# Allegro board RK3576_Template_LP5D315P132SD8_25x36_2400MHz_H1R6_V11_20240530YWQ.brd (continued)
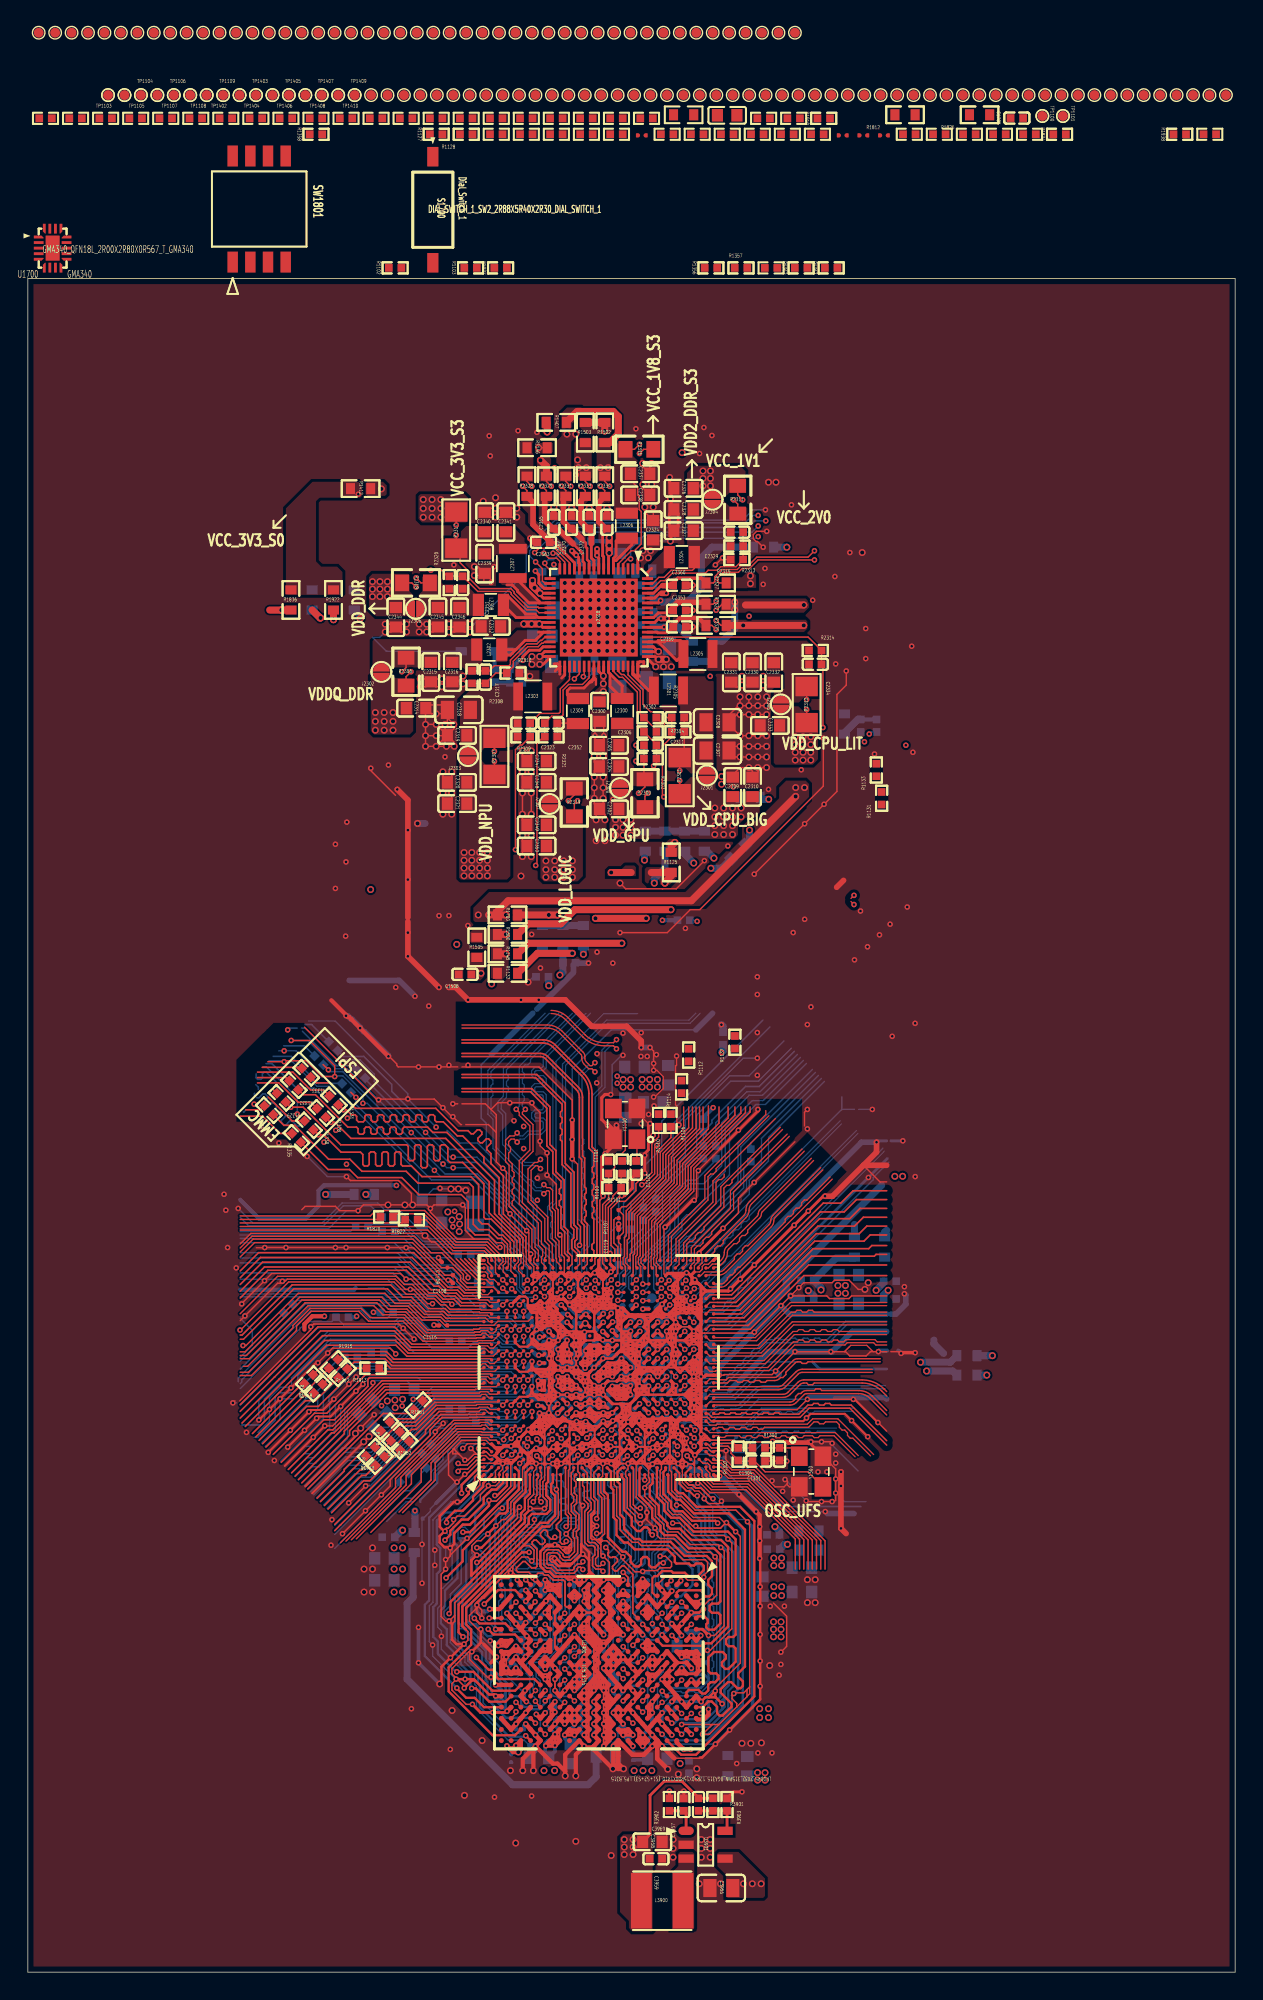
[diagram p0: board, top side]
## Routing (per net, layer and track width the routed paths; a pad name or vN(x,y) marks a point on that pad's centre or on a via; arc(x,y) is an arc through that point) (continued)
FSPI0_D6/EMMC_D6: length 24
  TOP w0.089: U1000.D28 34.51,50.68 34.51,51.57
  TOP w0.102: 34.51,51.57 34.46,51.62 34.46,52.29 34.3,52.45
  TOP w0.114: 34.3,52.45 34.04,52.7 33.76,52.7 33.12,53.34 32.39,53.34 32,53.72 32,56.39 31.71,56.68 28.03,56.68 27.18,57.53 24,57.53 23.14,58.4 21.61,58.4 19.18,60.83 18.4,60.83 R1334.1
FSPI0_D7/EMMC_D7: length 21.2
  TOP w0.089: U1000.1B24 34.15,50.3 34.15,50.77 34.33,50.95 34.33,51.4 34.25,51.48
  TOP w0.102: 33.66,52.4 34.06,52.4 34.25,52.21 34.25,51.48
  TOP w0.114: R1335.1 21.57,57.66 23.11,57.66 23.7,57.08 26.87,57.08 28.09,55.86 31.14,55.86 31.64,55.36 31.64,53.45 32.13,52.96 33.1,52.96 33.66,52.4
FSPI0_DQS/EMMC_STRB: length 21.4
  TOP w0.114: U1000.1F23 v1(37.12,49.73)
  BOTTOM w0.114: v1(37.12,49.73) 37.08,49.77 37.08,51.15 35.48,52.75 35.48,54.94 32.26,58.17 30.23,58.17 24.23,64.16 R1338.1
FSPI0_RSTN/EMMC_CMD: length 26.6
  TOP w0.114: v1(37.12,48.53) U1000.1F22
  BOTTOM w0.114: v1(37.12,48.53) 37.55,48.96 37.55,51.22 36.32,52.45 36.32,55.03 32.25,59.1 30.32,59.1 26.14,63.28 26.14,63.77 24.13,65.79 22.68,65.79 R1336.1
GMAC0_RSTN: length 22.6
  TOP w0.102: U1000.1C18 v1(34.72,46.13)
  BOTTOM w0.102: 33.91,46.48 34.37,46.48 v1(34.72,46.13)
  BOTTOM w0.114: 33.91,46.48 30.23,46.48 29.59,47.12 28.83,47.12 28.07,47.88 25.4,47.88 25.27,48.01 19.94,48.01 15.26,43.33
GMAC0_RXCLK_M0: length 18.6
  TOP w0.089: 32.42,42.7 32.5,42.79 33.04,42.79 33.21,42.62 33.6,42.62 U1000.1A12
  TOP w0.114: 32.42,42.7 24.55,42.7 24.43,42.59 24.43,42.09 22.03,39.68 21.26,39.68 18.2,36.62
GMAC0_RXCTL_M0: length 17.4
  TOP w0.089: 32.32,42.49 32.5,42.49 32.61,42.6 32.88,42.6 33.15,42.33 U1000.B13
  TOP w0.114: 18.71,36.11 21.56,38.96 21.91,38.96 25.44,42.49 32.32,42.49
GMAC0_RXD0_M0: length 16.5
  TOP w0.114: U1000.A13 32.71,42.27 25.53,42.27 22,38.74 21.82,38.74 18.95,35.87
GMAC0_RXD1_M0: length 17.4
  TOP w0.089: 32.06,42.05 32.08,42.07 33.65,42.07 U1000.1A11
  TOP w0.114: 19.2,35.63 25.62,42.05 32.06,42.05
GMAC0_RXD2_M0: length 16.7
  TOP w0.089: U1000.B12 33.23,41.88 32.17,41.88 32.13,41.84
  TOP w0.114: 19.44,35.39 22.73,38.68 22.73,38.86 25.71,41.84 32.13,41.84
GMAC0_RXD3_M0: length 17.2
  TOP w0.089: 32.43,41.6 32.52,41.69 33.04,41.69 33.21,41.52 33.7,41.52 U1000.1A10
  TOP w0.114: 19.68,35.15 23.11,38.58 23.11,38.9 25.81,41.6 32.43,41.6
GMAC0_TXCLK_M0: length 10
  TOP w0.114: 20.12,34.71 25.54,40.13 27.44,40.13 R1931.2
GMAC0_TXCTL_M0: length 6.7
  TOP w0.114: R1928.2 25.36,38.75 22.73,36.12 22.73,35.99 20.78,34.04
GMAC0_TXD0_M0: length 4.6
  TOP w0.114: R1930.2 21.03,33.8
GMAC0_TXD1_M0: length 6.7
  TOP w0.114: 21.31,33.52 23.85,36.07 23.98,36.07 25.13,37.22 R1929.2
GMAC0_TXD2_M0: length 4.7
  TOP w0.114: 21.57,33.26 23.99,35.69 24.28,35.69 R1933.2
GMAC0_TXD3_M0: length 6.8
  TOP w0.114: R1932.2 24.58,35.31 24.13,35.31 21.83,33
GMAC1_MDC_M0: length 9
  BOTTOM w0.114: 17.06,37.76 20.45,41.15 20.45,42.16 22.45,44.16 R1920.2
GMAC1_MDIO_M0: length 11.4
  BOTTOM w0.114: 16.81,38.02 20.07,41.27 20.07,42.49 22.28,44.7 24.46,44.7 R1921.2
GMAC1_RSTN: length 21
  TOP w0.089: U1000.1A19 33.8,47.02 33.21,47.02 33.03,47.19 32.28,47.19
  TOP w0.102: 32.28,47.19 31.5,47.19
  TOP w0.114: 15.26,45.77 15.39,45.77 18.99,49.37 26.07,49.37 26.95,48.49 27.56,48.49 28.59,47.46 29.89,47.46 30.16,47.19 31.5,47.19
GMAC1_RXCLK_M0: length 25
  TOP w0.102: U1000.1D15 v1(35.32,44.33)
  BOTTOM w0.114: v1(35.32,44.33) 34.75,44.91 34.01,44.91 33.7,45.21 32,45.21 31.63,44.84 29.02,44.84 27.99,45.87 21.7,45.87 17,41.17 17,39.56 16.75,39.31 15.37,39.31
GMAC1_RXCTL_M0: length 21
  TOP w0.089: 32.36,45.11 32.42,45.18 33.23,45.18 U1000.B18
  TOP w0.114: 15.26,40.77 17.39,42.9 20.84,46.35 26.35,46.35 27.59,45.11 32.36,45.11
GMAC1_RXD0_M0: length 21.7
  TOP w0.089: U1000.1A16 33.82,45.2 33.43,44.82 33.21,44.82 33.04,44.99 32.52,44.99 32.43,44.9
  TOP w0.114: 32.43,44.9 27.5,44.9 26.33,46.06 21.04,46.06 17.73,42.76 15.26,40.29
GMAC1_RXD1_M0: length 21.1
  TOP w0.089: U1000.B17 33.15,44.53 32.88,44.8 32.61,44.8 32.49,44.68
  TOP w0.114: 15.26,39.8 18.07,42.62 21.18,45.72 26.37,45.72 27.41,44.68 32.49,44.68
GMAC1_RXD2_M0: length 20.3
  TOP w0.114: 15.38,39.44 18.41,42.47 21.32,45.38 26.41,45.38 27.32,44.47 32.7,44.47 U1000.A17
GMAC1_RXD3_M0: length 21.1
  TOP w0.089: U1000.1A15 33.45,44.27 32.39,44.27 32.37,44.25
  TOP w0.114: 15.63,39.2 21.46,45.04 26.45,45.04 27.23,44.25 32.37,44.25
GMAC1_TXCLK_M0: length 21
  BOTTOM w0.114: R1914.2 32.43,44.45 27.81,44.45 27.05,45.21 21.77,45.21 19.39,42.83 19.39,41.95 19.05,41.61 18.04,41.61 17.76,41.34 17.76,39.65 16.53,38.42 16.26,38.42
GMAC1_TXCTL_M0: length 5.2
  TOP w0.114: R1919.2 19.73,42.28 16.14,38.69
GMAC1_TXD0_M0: length 7.3
  TOP w0.114: R1915.2 19.99,41.74 19.67,41.74 16.38,38.45
GMAC1_TXD1_M0: length 5.3
  TOP w0.114: R1918.2 20.34,41.4 19.82,41.4 16.62,38.21
GMAC1_TXD2_M0: length 7.4
  TOP w0.114: R1912.2 20.67,41.05 19.95,41.05 16.86,37.96
GMAC1_TXD3_M0: length 9.6
  TOP w0.114: R1913.2 23.62,43.39 20.87,40.64 20.02,40.64 17.11,37.72
GPIO0_A0_D: length 11.6
  TOP w0.102: R1110.1 45.32,60 44.83,59.51 44.83,57.45 44.28,56.9 43.94,56.9 43.69,56.64 43.69,56.14 42.92,55.37 42.42,55.37 41.9,54.86 41.9,52.2 42.16,51.94 42.16,51.18 U1000.V29
GPIO0_A2_D: length 22.5
  TOP w0.102: U1000.1U23 v1(43.72,49.73)
  BOTTOM w0.102: v1(43.72,49.73) 43.94,49.95 43.94,50.89 46.48,53.43 46.48,55.63 47.5,56.64 48.57,56.64 49.85,57.92 49.85,61.02 51.83,62.99 52.79,62.99 55.5,65.71
GPIO0_A3_D: length 13.6
  TOP w0.089: U1000.Y28 43.22,50.68 42.95,50.95 42.95,51.25 43.06,51.35 43.06,51.6
  TOP w0.102: 43.06,51.6 43.06,52.59 43.19,52.72 43.19,54.6 45.64,57.05 45.64,58.81 47.48,60.65 47.48,62.15
GPIO0_A4_D: length 14
  TOP w0.089: 42.86,51.52 42.86,51.42 42.76,51.32 42.76,50.87 42.94,50.7 42.94,50.15 U1000.1T24
  TOP w0.102: 47.12,62.15 47.12,60.83 47.12,60.83 47.12,60.57 45.43,58.89 45.43,57.14 42.99,54.69 42.99,52.9 42.86,52.77 42.86,51.52
GPIO0_A5_D: length 12.9
  TOP w0.102: 47.75,62.15 47.75,60.64 45.84,58.73 45.84,56.97 43.39,54.52 43.39,51.69 43.26,51.56 43.26,51.18 U1000.Y29
GPIO0_A6_U: length 8
  TOP w0.102: v1(42.38,48.26) 42.41,48.23 U1000.1T21
  BOTTOM w0.102: R1116.1 45.11,53.74 43.28,51.92 43.28,50.33 42.96,50.01 42.96,49.26 42.72,49.01 42.72,48.59 v1(42.38,48.26)
GPIO0_A7_U: length 13.2
  TOP w0.102: U1000.1U21 v1(43.72,48.53)
  BOTTOM w0.102: v1(43.72,48.53) 43.72,48.55 43.16,49.11 43.16,49.93 43.48,50.25 43.48,51.72 45.59,53.83 45.59,56.13 47.91,58.45 R1117.1
GPIO0_B0_Z: length 12.8
  TOP w0.102: U1000.1U22 v1(43.72,49.13)
  BOTTOM w0.102: R1118.1 49.42,58.31 48.01,56.9 47.37,56.9 46.14,55.66 46.14,53.38 43.69,50.93 43.69,50.17 43.36,49.85 43.36,49.49 v1(43.72,49.13)
GPIO0_B1_Z: length 1.7
  TOP w0.102: v1(41.92,49.73) 41.9,49.71 41.89,49.71 U1000.1P23
  BOTTOM w0.102: R1120.1 42.3,50.69 42.3,50.12 41.92,49.73 v1(41.92,49.73)
GPIO0_B2_Z: length 6.4
  TOP w0.102: v1(42.38,48.83) U1000.1T22
  BOTTOM w0.102: R1122.1 44.22,53.44 43.08,52.3 43.08,50.41 42.76,50.09 42.76,49.34 42.38,48.97 v1(42.38,48.83)
GPIO0_B3_Z: length 4.8
  TOP w0.102: v1(42.38,49.43) U1000.1T23
  BOTTOM w0.102: v1(42.38,49.43) 42.51,49.55 42.51,50.12 42.88,50.49 42.88,52.92 R1123.1
GPIO0_B4_D: length 14.3
  TOP w0.089: U1000.AD28 45.42,50.68 45.15,50.95 45.15,51.25 45.22,51.31 45.22,51.61
  TOP w0.102: 45.22,51.61 45.22,53.77 47.64,56.19 47.64,57.83 51.56,61.75 51.56,62.15
GPIO0_B7_D: length 14.5
  TOP w0.089: 44.6,51.55 44.59,51.55 44.59,50.07 U1000.1W24
  TOP w0.102: 50.31,62.15 50.31,61.36 47.04,58.09 47.04,56.45 44.6,54 44.6,51.55
GPIO0_C0_D: length 13.2
  TOP w0.102: 49.66,62.15 49.66,60.99 46.84,58.17 46.84,56.54 44.39,54.09 44.39,51.21 U1000.AB29
GPIO0_C3_D: length 1.2
  TOP w0.102: v1(44.18,48.23) U1000.1W21
  BOTTOM w0.102: v1(44.18,48.23) 44.33,48.38 44.8,48.38 TP1102.1
GPIO0_C7_D: length 11.8
  TOP w0.102: U1000.1Y23 v1(45.52,49.73)
  BOTTOM w0.102: v1(45.52,49.73) 45.52,50.75 47.42,52.65 47.73,52.65 51.43,56.34 51.43,57.71 R1109.1
GPIO0_D1_D: length 14.1
  TOP w0.089: 44.82,51.45 44.78,51.41 44.78,50.68 U1000.AC28
  TOP w0.102: 44.82,51.45 44.82,53.94 47.24,56.37 47.24,58 50.8,61.56 50.8,62.15
GPIO0_D3_D: length 19.9
  TOP w0.102: v1(46.08,49.69) 46.08,49.69 U1000.1AA23
  BOTTOM w0.102: 57.01,64.2 52.7,59.89 52.7,58.17 51.63,57.09 51.63,56.11 47.96,52.44 47.5,52.44 45.85,50.79 45.85,49.91 v1(46.08,49.69)
GPIO1_B4_D: length 1.4
  TOP w0.114: 31.69,51.25 31.89,51.05 31.89,51.04 32.35,50.58 U1000.A28
GPIO1_B5_D: length 2.1
  TOP w0.089: U1000.B27 33.32,50.2 33.05,50.47 33.05,50.68 32.87,50.87 32.65,50.87
  TOP w0.114: 32,51.25 32.1,51.14 32.1,51.13 32.37,50.87 32.65,50.87
GPIO1_B6_D: length 3.3
  TOP w0.089: 32.64,50.3 32.88,50.3 33.04,50.15 33.04,49.94 33.21,49.77 33.49,49.77 U1000.1A23
  TOP w0.114: 31.39,51.25 31.67,50.96 31.67,50.96 32.33,50.3 32.64,50.3
GPIO1_B7_D: length 2.2
  TOP w0.114: 31.08,51.25 31.46,50.87 32.29,50.03 U1000.A27
GPIO1_C0_D: length 3.3
  TOP w0.102: U1000.B26 33.19,49.48 32.92,49.76 32.64,49.76
  TOP w0.114: 32.64,49.76 32.62,49.77 32.25,49.77 30.78,51.25
GPIO1_C1_D: length 0.4
  TOP w0.114: U1000.1B22 v1(34.12,49.13)
GPIO1_C2_U: length 19.2
  TOP w0.102: U1000.B29 33.32,51.29 32.79,51.83 30.53,51.83 28.79,53.56 15.26,53.56
GPIO1_C3_U: length 4.3
  TOP w0.102: U1000.1C23 v1(34.77,49.69)
  BOTTOM w0.102: R1815.1 31.98,51.72 32.8,51.72 34.77,49.76 v1(34.77,49.69)
GPIO1_C4_D: length 1.6
  TOP w0.102: U1000.1B23 v1(34.12,49.73)
  BOTTOM w0.102: R1816.1 33.52,50.12 33.74,50.12 v1(34.12,49.73)
GPIO1_C5_D: length 19.4
  TOP w0.102: 15.26,53.31 28.73,53.31 30.44,51.6 32.69,51.6 33.05,51.25 33.05,51 33.32,50.73 U1000.B28
GPIO1_C6_D: length 19.5
  TOP w0.102: U1000.A26 31.56,49.48 31.29,49.75 31.29,50.12 29.73,51.68 28.97,51.68 27.78,52.86 16.1,52.86 15.26,52.02
GPIO1_C7_D: length 2.3
  TOP w0.102: U1000.1C22 v1(34.77,49.09)
  BOTTOM w0.102: R1819.1 33.96,48.78 34.46,48.78 v1(34.77,49.09)
GPIO1_D0_D: length 9.2
  TOP w0.102: U1000.C29 33.81,51.2 33.81,51.37 33.27,51.91 33.27,51.91 32.95,52.23 30.7,52.23 28.45,54.48 26.46,54.48 R1820.1
GPIO1_D1_D: length 12.6
  TOP w0.102: U1000.1D22 35.87,49.09 v1(35.88,49.09)
  BOTTOM w0.102: R1821.1 26.5,54.09 26.78,54.09 28.38,52.49 32.99,52.49 33.92,51.56 34.29,51.56 35.52,50.33 35.52,49.26 35.7,49.09 v1(35.88,49.09)
GPIO1_D2_D: length 8.1
  TOP w0.102: R1822.1 28.59,54.05 30.62,52.03 32.87,52.03 33.6,51.3 33.6,50.26 U1000.1A24
GPIO1_D4_D: length 12.9
  TOP w0.102: U1000.1E21 v1(36.48,48.49)
  BOTTOM w0.102: v1(36.48,48.49) 35.72,48.49 35.12,49.09 35.12,49.94 34.64,50.42 34.43,50.42 32.76,52.08 28.21,52.08 27.08,53.21 R1823.1
GPIO1_D5_D: length 15.2
  TOP w0.102: U1000.1E22 36.48,49.09 v1(36.48,49.09)
  BOTTOM w0.102: v1(36.48,49.09) 36.48,49.09 36.14,48.75 35.74,48.75 35.32,49.17 35.32,50.15 34.42,51.05 34.11,51.05 32.88,52.29 28.3,52.29 26.86,53.72 24.58,53.72 R1824.1
GPIO2_B0_D: length 20.7
  TOP w0.089: 32.54,45.78 32.66,45.9 32.88,45.9 33.15,45.63 U1000.B19
  TOP w0.102: 15.48,43.52 15.79,43.52 20.15,47.88 24.85,47.88 25.5,47.23 27.07,47.23 28.57,45.73 32.14,45.73 32.18,45.78 32.54,45.78
GPIO2_B1_D: length 21.6
  TOP w0.089: 32.46,45.98 32.57,46.09 33.03,46.09 33.22,45.9 33.46,45.9 33.66,46.1 33.66,46.27 U1000.1A18
  TOP w0.102: 15.26,44.07 15.91,44.07 19.92,48.08 25.07,48.08 25.72,47.43 27.15,47.43 28.65,45.93 32.06,45.93 32.1,45.98 32.46,45.98
GPIO2_C3_D: length 10.2
  TOP w0.114: U1000.A15 32.7,43.37 26.06,43.37 25.6,43.82 23.44,43.82 R1912.1
GPIO2_C4_D: length 8.8
  TOP w0.089: U1000.1A13 33.55,43.17 32.22,43.17 32.2,43.15
  TOP w0.114: 32.2,43.15 25.49,43.15 R1913.1
GPIO2_C5_D: length 1.8
  TOP w0.102: U1000.1C15 v1(34.72,44.33)
  BOTTOM w0.114: R1914.1 33.57,44.69 34.36,44.69 v1(34.72,44.33)
GPIO2_C6_D: length 12.1
  TOP w0.089: 32.46,43.8 32.56,43.89 33.04,43.89 33.21,43.72 33.5,43.72 U1000.1A14
  TOP w0.114: 32.46,43.8 26.24,43.8 25.71,44.32 22.58,44.32 R1915.1
GPIO2_C7_D: length 13.3
  TOP w0.089: 32.53,43.58 32.65,43.7 32.88,43.7 33.15,43.43 U1000.B15
  TOP w0.114: 32.53,43.58 26.15,43.58 25.66,44.07 23.01,44.07 R1918.1
GPIO2_D0_D: length 13.8
  TOP w0.089: U1000.B16 33.23,44.08 32.48,44.08 32.43,44.03 32.36,44.03
  TOP w0.114: R1919.1 22.15,44.58 25.76,44.58 26.31,44.03 32.36,44.03
GPIO2_D4_D: length 11.4
  TOP w0.102: U1000.1B13 v1(34.42,43.87)
  BOTTOM w0.114: v1(34.42,43.87) 34.37,43.81 25.78,43.81 25.56,44.04 23.79,44.04 R1920.1
GPIO2_D5_D: length 9.3
  TOP w0.102: U1000.1B15 v1(34.12,44.33)
  BOTTOM w0.114: R1921.1 26.02,44.04 33.83,44.04 v1(34.12,44.33)
GPIO2_D6_D: length 4.7
  BOTTOM w0.102: 15.26,43.88 18.43,47.05 R1911.2
GPIO2_D7_D: length 18
  BOTTOM w0.102: R1949.2 30.05,45.58 28.89,45.58 27.86,46.61 26.82,46.61 26.5,46.29 20.82,46.29 15.26,40.72
GPIO3_A2_D: length 20.7
  TOP w0.089: U1000.1A20 33.75,47.57 32.57,47.57 32.51,47.62
  TOP w0.102: 32.51,47.62 30.32,47.62 30.01,47.93 29.66,47.93 29.22,48.37 28.66,48.37 27.63,49.4 27.06,49.4 26.48,49.99 17.94,49.99 15.26,47.3
GPIO3_A4_D: length 22.2
  TOP w0.102: U1000.1D13 v1(35.62,43.87)
  BOTTOM w0.102: v1(35.62,43.87) 35.29,43.54 34.18,43.54 34.18,43.54 25.67,43.54 25.48,43.74 22.78,43.74 20.83,41.78 20.83,40.4 17.63,37.2
GPIO3_A5_D: length 14.2
  TOP w0.114: 22.05,32.16 28.58,38.69 28.58,38.97 29.67,40.06 32.24,40.06 32.24,40.07 32.7,40.07 U1000.A9
GPIO3_A6_D: length 15.4
  TOP w0.089: 32.26,39.85 32.28,39.87 33.79,39.87 U1000.1A7
  TOP w0.114: 32.26,39.85 29.76,39.85 28.9,38.99 28.9,38.56 22.47,32.14 22.47,32.14 22.05,31.72
GPIO3_B0_D: length 18.1
  TOP w0.089: 32.25,42.92 32.31,42.98 33.23,42.98 U1000.B14
  TOP w0.114: 17.64,37.19 20.59,40.15 21.48,40.15 24.25,42.92 32.25,42.92
GPIO3_B3_D: length 7.5
  TOP w0.114: R1928.1 26.22,39.75 27.76,39.75 29.18,41.17 32.7,41.17 U1000.A11
GPIO3_B4_D: length 7.5
  TOP w0.089: U1000.B10 33.23,40.78 32.27,40.78 32.21,40.72
  TOP w0.114: 32.21,40.72 29.34,40.72 27.86,39.24 27.15,39.24 R1929.1
GPIO3_B5_D: length 10.3
  TOP w0.089: 32.1,40.93 32.13,40.97 33.75,40.97 U1000.1A9
  TOP w0.114: R1930.1 26.72,39.5 27.81,39.5 29.25,40.93 32.1,40.93
GPIO3_B6_D: length 5.3
  TOP w0.089: 32.49,41.38 32.61,41.5 32.88,41.5 33.15,41.23 U1000.B11
  TOP w0.114: R1931.1 28.69,41.38 32.49,41.38
GPIO3_C2_D: length 7
  TOP w0.089: 32.41,40.28 32.53,40.4 32.88,40.4 33.15,40.13 U1000.B9
  TOP w0.114: R1932.1 29.55,40.28 32.41,40.28
GPIO3_C3_D: length 9.8
  TOP w0.089: U1000.1A8 33.8,40.42 33.21,40.42 33.04,40.59 32.43,40.59 32.34,40.5
  TOP w0.114: 32.34,40.5 29.42,40.5 27.91,38.99 27.58,38.99 R1933.1
GPIO3_C5_D: length 16.5
  TOP w0.102: U1000.1B9 v1(34.12,40.73)
  BOTTOM w0.102: 21,33.83 23.34,36.16 24.64,36.16 29.37,40.89 33.96,40.89 v1(34.12,40.73)
GPIO3_D4_D: length 22.5
  TOP w0.102: U1000.1E12 v1(35.92,42.53)
  BOTTOM w0.102: 18.14,36.69 21.23,39.78 21.23,41.55 23.21,43.53 25.39,43.53 25.59,43.34 35.12,43.34 v1(35.92,42.53)
GPIO3_D6_D: length 18.4
  TOP w0.102: v1(35.02,42.07) U1000.1C10
  BOTTOM w0.102: v1(35.02,42.07) 34.67,41.72 29.05,41.72 24.67,37.34 22.71,37.34 20.1,34.73
GPIO4_A2_D: length 7.5
  TOP w0.102: U1000.1D6 35.35,38.97 v1(35.33,38.94)
  BOTTOM w0.102: v1(35.33,38.94) 34.96,39.31 34.03,39.31 33.76,39.04 30.34,39.04 29.69,38.39 29.39,38.39 R1802.1
GPIO4_A3_D: length 7
  TOP w0.102: U1000.1C6 34.77,38.98 v1(34.77,38.98)
  BOTTOM w0.102: R1803.1 29.46,37.03 29.46,37.4 30.69,38.63 33.92,38.63 33.95,38.6 34.39,38.6 v1(34.77,38.98)
GPIO4_A4_D: length 12.8
  TOP w0.102: U1000.1C5 v1(34.73,38.34)
  BOTTOM w0.102: 25.78,32.38 27.18,33.78 27.69,33.78 29.17,35.27 29.17,35.85 30.18,36.86 30.18,37.42 30.99,38.23 33.66,38.23 33.96,37.92 34.32,37.92 34.73,38.32 v1(34.73,38.34)
GPIO4_A5_D: length 8.5
  TOP w0.102: v1(34.12,38.93) U1000.1B6
  BOTTOM w0.102: v1(34.12,38.93) 34.02,38.84 30.52,38.84 27.53,35.85 R1806.1
GPIO4_A6_D: length 12.2
  TOP w0.102: v1(34.19,38.25) 34.19,38.4 U1000.1B5
  BOTTOM w0.102: v1(34.19,38.25) 34.01,38.25 33.83,38.43 30.87,38.43 29.83,37.39 29.83,36.8 28.97,35.93 28.97,35.39 27.62,34.04 27.04,34.04 25.59,32.58
GPIO4_A7_D: length 12.8
  TOP w0.102: U1000.A7 32.77,39.03 30.84,39.03 27.56,35.74 27.56,35.09 23.6,31.13
GPIO4_B3_D: length 15
  TOP w0.089: U1000.1A6 33.74,39.32 33.21,39.32 33.04,39.49 32.51,39.49 32.45,39.44
  TOP w0.102: 22.86,30.96 26.8,34.9 26.8,35.56 30.68,39.44 32.45,39.44
GPIO4_C0_D: length 12.7
  TOP w0.102: U1000.AK3 48.88,36.83 49.16,36.56 49.82,36.56 50.5,35.88 52.09,35.88 56.97,31.01 56.97,28.96
GPIO4_C2_D: length 11.6
  TOP w0.102: U1000.AL2 49.81,36.28 50.42,35.68 52.01,35.68 56.66,31.02 56.66,28.96
GPIO4_C3_D: length 12.8
  TOP w0.102: U1000.1AE2 48.5,36.56 48.83,36.56 49,36.4 49,36.17 49.16,36.01 49.8,36.01 50.34,35.48 51.92,35.48 56.36,31.04 56.36,28.96
GPIO4_C4_D: length 12.5
  TOP w0.102: 57.28,28.96 57.28,30.99 52.18,36.08 50.59,36.08 49.91,36.76 49.34,36.76 U1000.AL3
GPIO4_C5_D: length 11.1
  TOP w0.102: U1000.AK1 48.72,35.61 49.26,35.07 51.76,35.07 55.75,31.08 55.75,28.96
GPIO4_C6_D: length 11.7
  TOP w0.102: 55.44,28.96 55.44,31.09 51.67,34.87 49.18,34.87 48.45,35.6 48.45,36.01 U1000.1AE1
GPIO4_C7_D: length 11.1
  TOP w0.102: 55.14,28.96 55.14,31.11 51.59,34.66 49.1,34.66 48.17,35.59 U1000.AJ1
GSENSOR_INT_L: length 8.5
  BOTTOM w0.102: R1824.2 23.17,53.21 15.26,53.21
HDMI_TX/EDP_TX_AVDD1V8: length 54
  TOP w0.229: U1000.2N10 v1(45.25,46.03) U1000.2P10
  L4-SIG w0.089: 45.76,46.36 45.33,46.36 45.25,46.27 v1(45.25,46.03) ; 45.76,46.36 45.44,46.03 45.43,46.03 ; 45.76,46.36 46.03,46.36 ; 47.52,45.9 47.72,45.7 ; 47.52,45.9 47.32,45.7 ; 47.52,45.9 47.52,46.17 ; 47.06,46.36 46.68,46.36 ; 47.06,46.36 46.87,46.17 ; 47.06,46.36 47.33,46.36 ; 46.68,46.36 46.87,46.17 ; 46.68,46.36 46.41,46.36 ; 46.87,46.17 46.87,45.9 ; 46.87,45.9 46.67,45.7 ; 46.87,45.9 47.07,45.7 ; 47.71,46.36 47.33,46.36 ; 47.71,46.36 47.52,46.17 ; 47.71,46.36 48.13,46.36 48.45,46.04 ; 47.33,46.36 47.52,46.17 ; 46.03,46.36 46.22,46.17 ; 46.03,46.36 46.41,46.36 ; 46.22,46.17 46.22,45.9 ; 46.22,46.17 46.41,46.36 ; 46.22,45.9 46.42,45.7 ; 46.22,45.9 46.02,45.7
  L4-SIG w0.102: 45.76,45.7 45.43,46.03 v1(45.25,46.03) 45.25,45.8 45.35,45.7 45.76,45.7 ; 45.76,45.7 48.12,45.7 48.45,46.04
  L4-SIG w0.508: 48.45,46.04 53.01,50.6 53.01,71.83 51.82,73.03 51.82,75.7 v2(47.84,79.67)
  BOTTOM w0.305: 45.18,45.5 C1603.1 45.56,45.72 v1(45.25,46.03) 45.22,46.03 C1602.1 45.18,45.5
  BOTTOM w0.508: R1602.1 47.19,80.32 v2(47.84,79.67)
HDMI_TX_D0N: length 11.7
  TOP w0.089: 57.12,57.64 56.57,57.09 53.69,54.21 arc(53.62,54.1) 53.59,53.97 arc(53.55,53.74) 53.41,53.54 50.16,50.29 arc(49.93,50.13) 49.65,50.08 48.77,50.08 U1000.AK27
HDMI_TX_D0P: length 12.3
  TOP w0.089: U1000.1AE24 48.34,50.03 48.61,50.3 49.65,50.3 arc(49.84,50.34) 50.01,50.45 50.77,51.21 50.77,51.4 50.96,51.6 51.15,51.6 51.35,51.79 51.35,51.98 51.55,52.18 51.74,52.18 53.26,53.7 arc(53.34,53.83) 53.37,53.97 arc(53.41,54.19) 53.53,54.36 56.42,57.25 56.96,57.79
HDMI_TX_D1N: length 11
  TOP w0.089: U1000.AL28 49.33,50.64 49.41,50.64 arc(49.61,50.68) 49.78,50.79 49.97,50.99 arc(50.19,51.31) 50.26,51.68 50.26,51.73 arc(50.28,51.84) 50.35,51.94 50.74,52.33 50.93,52.33 51.13,52.53 51.13,52.72 51.33,52.92 51.52,52.92 51.72,53.12 51.72,53.31 52.57,54.16 arc(52.67,54.31) 52.71,54.48 arc(52.72,54.55) 52.76,54.62 56.45,58.31
HDMI_TX_D1P: length 11.2
  TOP w0.089: U1000.AK28 48.89,50.58 49.17,50.87 49.41,50.87 arc(49.52,50.89) 49.62,50.95 49.82,51.15 arc(49.98,51.39) 50.04,51.68 50.04,51.73 arc(50.08,51.93) 50.19,52.1 52.41,54.32 arc(52.46,54.39) 52.48,54.48 arc(52.51,54.64) 52.6,54.77 56.29,58.46
HDMI_TX_D2N: length 10.9
  TOP w0.089: 55.78,58.98 52.01,55.21 arc(51.87,54.99) 51.82,54.74 arc(51.76,54.44) 51.59,54.2 49.96,52.57 49.96,52.38 49.75,52.16 49.56,52.16 49.34,51.95 49.34,51.76 49.13,51.54 48.94,51.54 48.72,51.33 U1000.AK29
HDMI_TX_D2P: length 11.6
  TOP w0.089: 55.62,59.13 51.85,55.36 arc(51.66,55.08) 51.59,54.74 arc(51.55,54.53) 51.43,54.36 49.74,52.66 48.44,51.36 48.44,50.95 48.17,50.68 U1000.AJ28
HDMI_TX_D3N: length 12.4
  TOP w0.089: 57.79,56.97 50.2,49.37 arc(50.02,49.26) 49.82,49.22 48.99,49.22 U1000.AK26
HDMI_TX_D3P: length 12
  TOP w0.089: 57.63,57.12 55.98,55.47 55.78,55.47 55.59,55.27 55.59,55.08 55.39,54.88 55.2,54.88 55,54.68 55,54.49 54.8,54.3 54.61,54.3 54.42,54.1 54.42,53.91 51.15,50.64 51.03,50.64 50.81,50.43 50.81,50.3 50.59,50.09 50.47,50.09 50.25,49.87 50.25,49.75 50.04,49.53 arc(49.94,49.46) 49.82,49.44 49.32,49.44 U1000.AL26
HDMI_TX_HPDIN_M0: length 11.8
  TOP w0.102: U1000.AK2 48.72,36.12 49,35.85 49,35.62 49.35,35.27 51.84,35.27 56.05,31.06 56.05,28.96
HDMI_TX_REXT/EDP_TX_REXT: length 1
  TOP w0.102: U1000.1AA20 v1(46.12,47.93)
  BOTTOM w0.089: R1600.1 46.58,47.93 v1(46.12,47.93)
HDMI_TX_SBDN: length 19.4
  TOP w0.089: U1000.2U12 v1(47.85,46.68)
  BOTTOM w0.089: v1(47.85,46.68) 47.85,47.02 48.23,47.4 49.96,47.4 61.53,58.97
HDMI_TX_SBDP: length 20.4
  TOP w0.089: U1000.2T12 v1(47.2,46.68)
  BOTTOM w0.089: 61.44,59.19 52.12,49.87 51.93,49.87 51.73,49.67 51.73,49.48 51.42,49.17 51.23,49.17 51.03,48.97 51.03,48.78 50.46,48.21 50.27,48.21 50.07,48.01 50.07,47.82 49.87,47.62 49.17,47.62 49.03,47.76 48.76,47.76 48.62,47.62 48.14,47.62 47.87,47.35 47.67,47.35 47.48,47.16 47.48,46.97 v1(47.2,46.68)
HOST_WAKE_BT_H: length 10.3
  BOTTOM w0.102: R1823.2 25.2,52.96 15.26,52.96
I2C0_SCL_M1_TP: length 14.4
  TOP w0.089: U1000.AB28 44.32,50.68 44.05,50.95 44.05,51.25 44.19,51.39 44.19,51.49
  TOP w0.102: 48.9,62.23 48.9,60.58 46.64,58.32 46.64,56.62 44.19,54.18 44.19,51.49
  BOTTOM w0.102: v1(60.45,88.95) 60.6,89.09 R1138.2
I2C0_SDA_M1_TP: length 14.9
  TOP w0.089: U1000.1V24 44.04,50.05 44.04,50.7 43.86,50.87 43.86,51.33 43.99,51.46
  TOP w0.102: 43.99,51.46 43.99,54.26 46.44,56.71 46.44,58.48 48.51,60.55 48.51,62.15
  BOTTOM w0.102: v1(60.11,88.38) 59.84,88.65 R1139.2
I2C1_SCL_M0_RK806: length 35.3
  TOP w0.102: U2300.17 38.22,101.35 38,101.57 37.43,101.57 v1(37.07,101.93)
  BOTTOM w0.102: v1(52.47,103.89) 52.03,103.45 38.32,103.45 37.07,102.19 v1(37.07,101.93) ; 54.32,66.89 51.82,64.39 50.42,64.39 47.24,61.21 47.24,58.7 44.22,55.67 R1122.2
I2C1_SDA_M0_RK806: length 38.8
  TOP w0.102: v1(36.41,101.98) 36.72,102.29 37.87,102.29 38.92,101.24 U2300.15
  BOTTOM w0.102: v1(36.41,101.98) 38.21,103.78 51.71,103.78 52.18,104.25 v1(53.02,104.25) ; R1123.2 43.33,55.27 46.36,58.29 46.36,60.94 53.31,67.9
I2C3_SCL_M0_AUDIO: length 10
  TOP w0.089: U1000.1A4 33.64,38.22 33.21,38.22 33.04,38.39 32.49,38.39 32.46,38.42
  TOP w0.102: 26.92,33.01 29.27,35.35 29.27,36.59 31.1,38.42 32.46,38.42
I2C3_SDA_M0_AUDIO: length 14.9
  TOP w0.089: U1000.B8 33.23,39.68 32.42,39.68 32.38,39.64
  TOP w0.102: 32.38,39.64 30.59,39.64 26.42,35.46 26.42,34.81 22.46,30.85
I2C4_SCL_M3_MIPI_CSI0: length 19
  TOP w0.102: U1000.1E9 v1(35.92,40.73)
  BOTTOM w0.102: v1(35.92,40.73) 35.34,41.31 29.22,41.31 24.66,36.76 22.99,36.76 20.53,34.3
I2C4_SDA_M3_MIPI_CSI0: length 21.9
  TOP w0.102: U1000.1D12 v1(35.32,42.53)
  BOTTOM w0.102: v1(35.32,42.53) 34.93,42.93 34.92,42.93 34.72,43.14 25.27,43.14 25.1,43.31 23.63,43.31 21.63,41.31 21.63,41.02 21.68,40.97 21.68,39.08 20.37,37.77 19.87,37.77 18.46,36.36
I2C5_SCL_M3_MIPI_CSI1: length 18.1
  TOP w0.102: U1000.1D9 v1(35.32,40.73)
  BOTTOM w0.102: 20.75,34.08 23.09,36.42 24.61,36.42 29.29,41.1 34.96,41.1 v1(35.32,40.73)
I2C5_SDA_M3_MIPI_CSI1: length 17.9
  TOP w0.102: U1000.1B10 v1(34.42,42.07)
  BOTTOM w0.102: 19.88,34.94 22.59,37.65 24.69,37.65 29.08,42.04 34.39,42.04 v1(34.42,42.07)
I2C7_SCL_M1_SENSOR: length 24.1
  TOP w0.102: U1000.1D16 v1(35.62,45.67)
  BOTTOM w0.102: 15.26,41.93 20.07,46.74 21.83,46.74 R1916.2 22.7,46.49 26.41,46.49 26.74,46.81 27.94,46.81 28.98,45.78 33.72,45.78 34.19,45.31 35.26,45.31 v1(35.62,45.67)
I2C7_SDA_M1_SENSOR: length 22.9
  TOP w0.102: U1000.1B18 v1(34.12,46.13)
  BOTTOM w0.102: v1(34.12,46.13) 34.07,46.19 30.01,46.19 29.34,46.86 28.58,46.86 28.04,47.4 R1917.2 25.81,46.96 24.77,46.96 23.94,47.8 20.24,47.8 15.11,42.67 15.11,42.42
I2C8_SCL_M2_MIPI_CSI3: length 29.5
  TOP w0.102: U1000.A21 32.75,46.76 29.97,46.76 29.69,47.05 28.4,47.05 27.41,48.04 26.38,48.04 25.65,48.77 19.43,48.77 15.68,45.01 v1(15.46,45.01)
  L4-SIG w0.102: 15.26,54.21 16.13,53.34 16.13,45.68 v1(15.46,45.01)
I2C8_SDA_M2_MIPI_CSI3: length 20.6
  TOP w0.089: U1000.B21 33.15,46.73 32.88,47 32.37,47 32.34,46.98
  TOP w0.102: 15.26,45.47 15.49,45.47 19.11,49.09 25.84,49.09 26.69,48.24 27.51,48.24 28.5,47.25 29.77,47.25 30.04,46.98 32.34,46.98
I2C_MODE_SEL: length 4.3
  TOP w0.102: U2300.18 37.52,100.72 37.14,101.1 v1(37.14,101.22)
  BOTTOM w0.102: v1(37.14,101.22) 37.39,101.47 37.77,101.47 39.1,102.81 R2324.2
LCD_BL_PWM1_CH1_M0: length 13.7
  TOP w0.102: U1000.AD29 45.42,53.69 47.84,56.11 47.84,57.74 51.89,61.79 51.89,62.15
LCD_PWREN_H: length 21.7
  TOP w0.102: U1000.1Y21 v1(45.52,48.53)
  BOTTOM w0.102: v1(45.52,48.53) 44.96,49.09 44.96,50.76 51.02,56.82 51.02,59.5 56.36,64.85
LPDDR5_A0_A: length 20.3
  TOP w0.114: v1(41.52,30.51) 41.72,30.32 41.72,30.15 41.67,30.11 41.67,29.95 41.84,29.79 42,29.79 42.04,29.83 42.2,29.83 42.36,29.67 42.36,29.51 42.01,29.15 42.01,28.99 42.17,28.83 42.33,28.83 42.69,29.18 42.85,29.18 43.47,28.56 43.47,25.78 U3900.G4 ; v1(40.87,31.51) 41.11,31.51 41.23,31.63 41.23,34.09 40.96,34.36 40.96,35.67 U1000.T1
  BOTTOM w0.114: v1(41.52,30.51) 41.78,30.76 41.78,33.92 41.66,34.04 41.39,34.04 41.27,33.92 41.27,30.99 41.15,30.86 40.99,30.86 40.87,30.98 v1(40.87,31.51)